# Altium PCB Main_Board.PcbDoc (part 1 of 19) (continued)
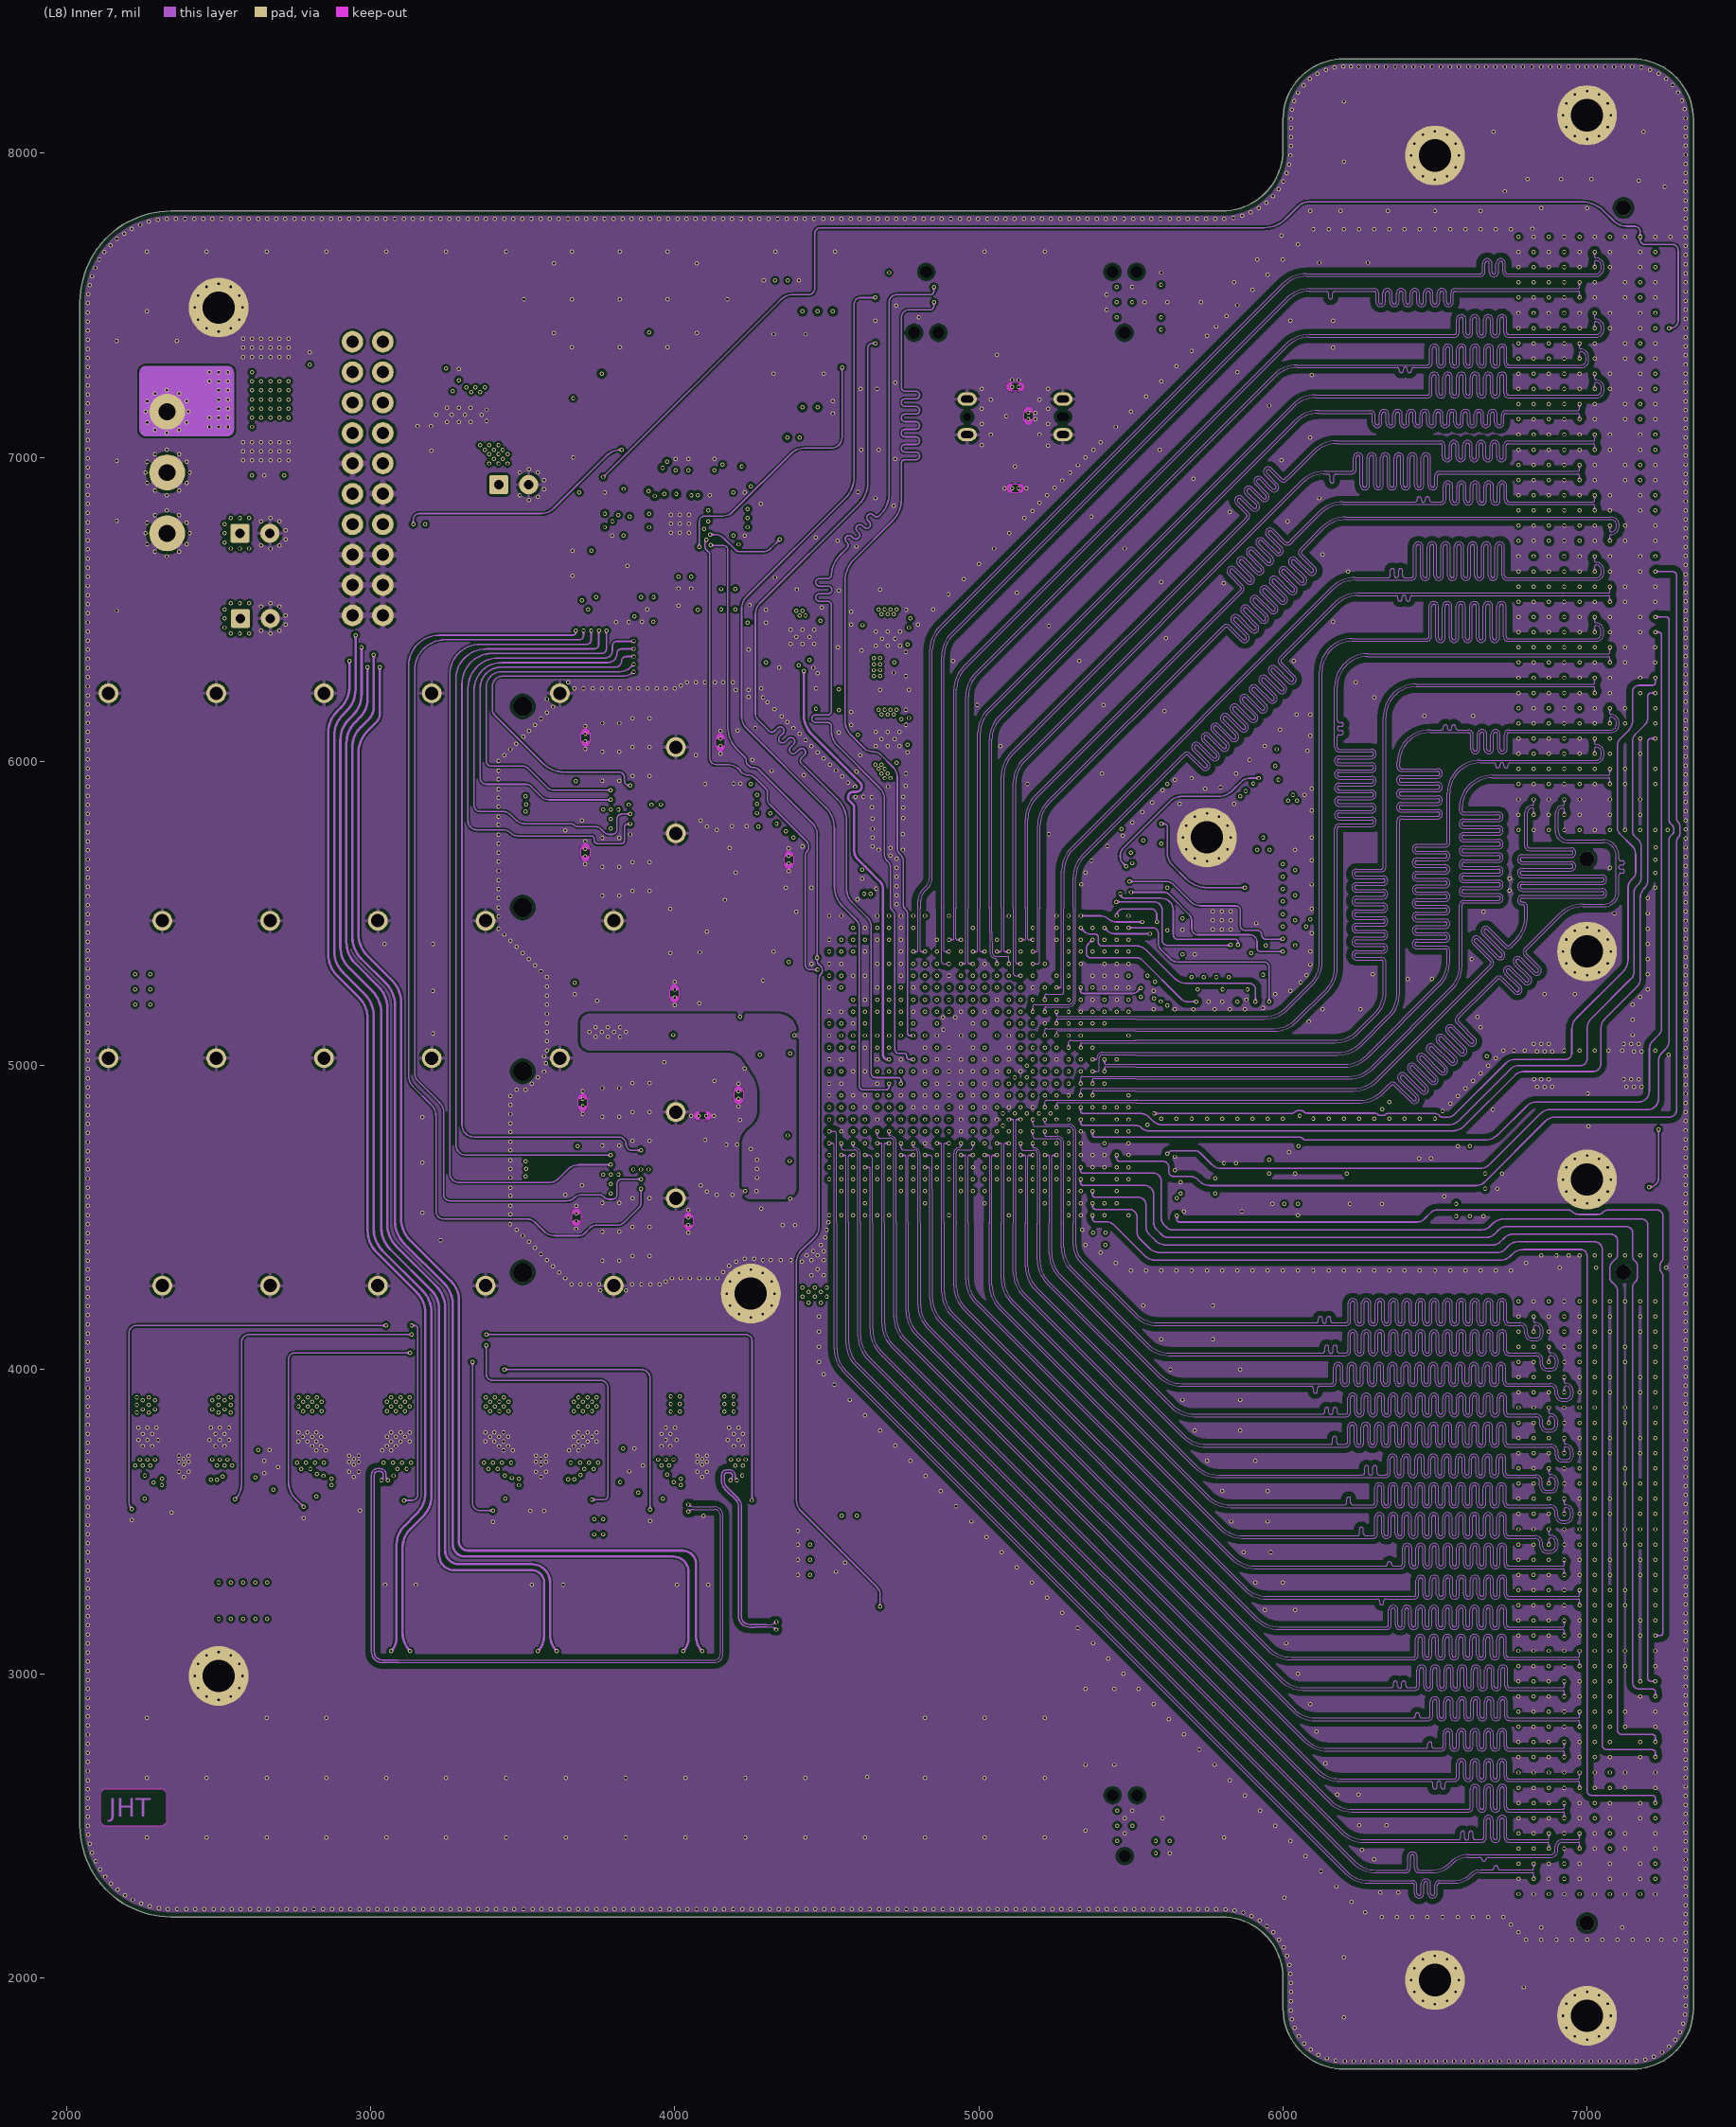
[diagram p8: (L8) Inner 7]
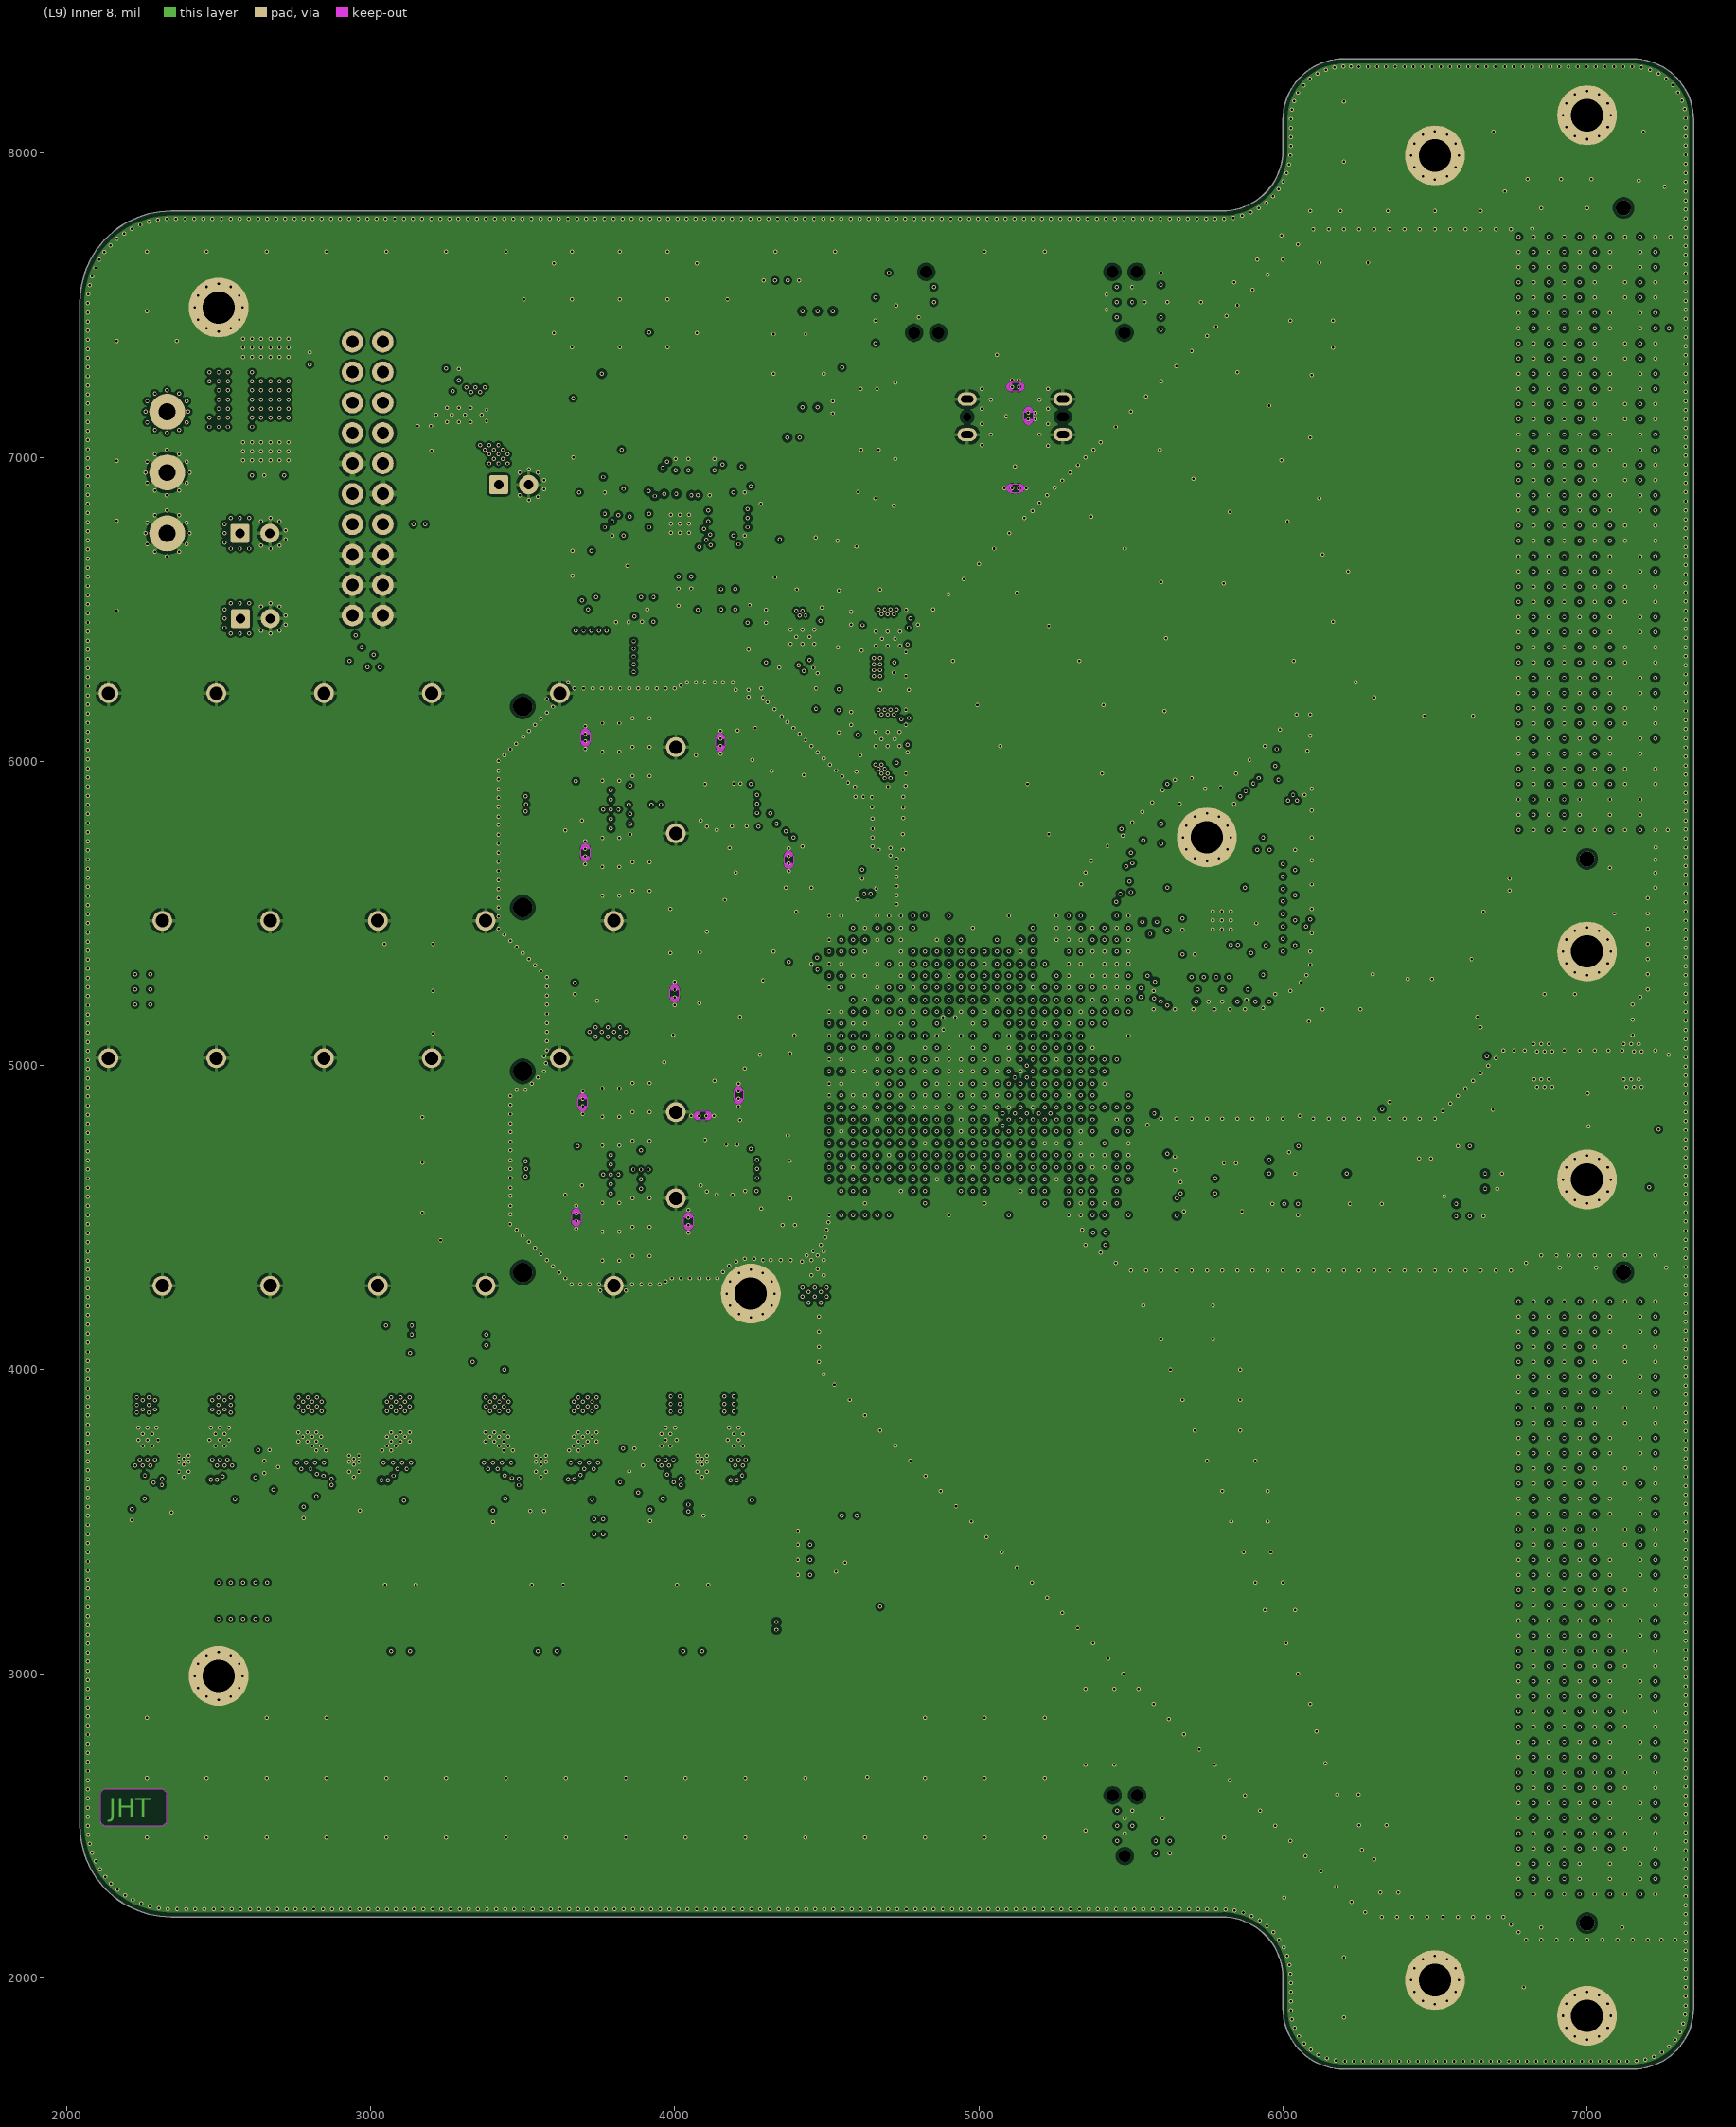
[diagram p9: (L9) Inner 8]
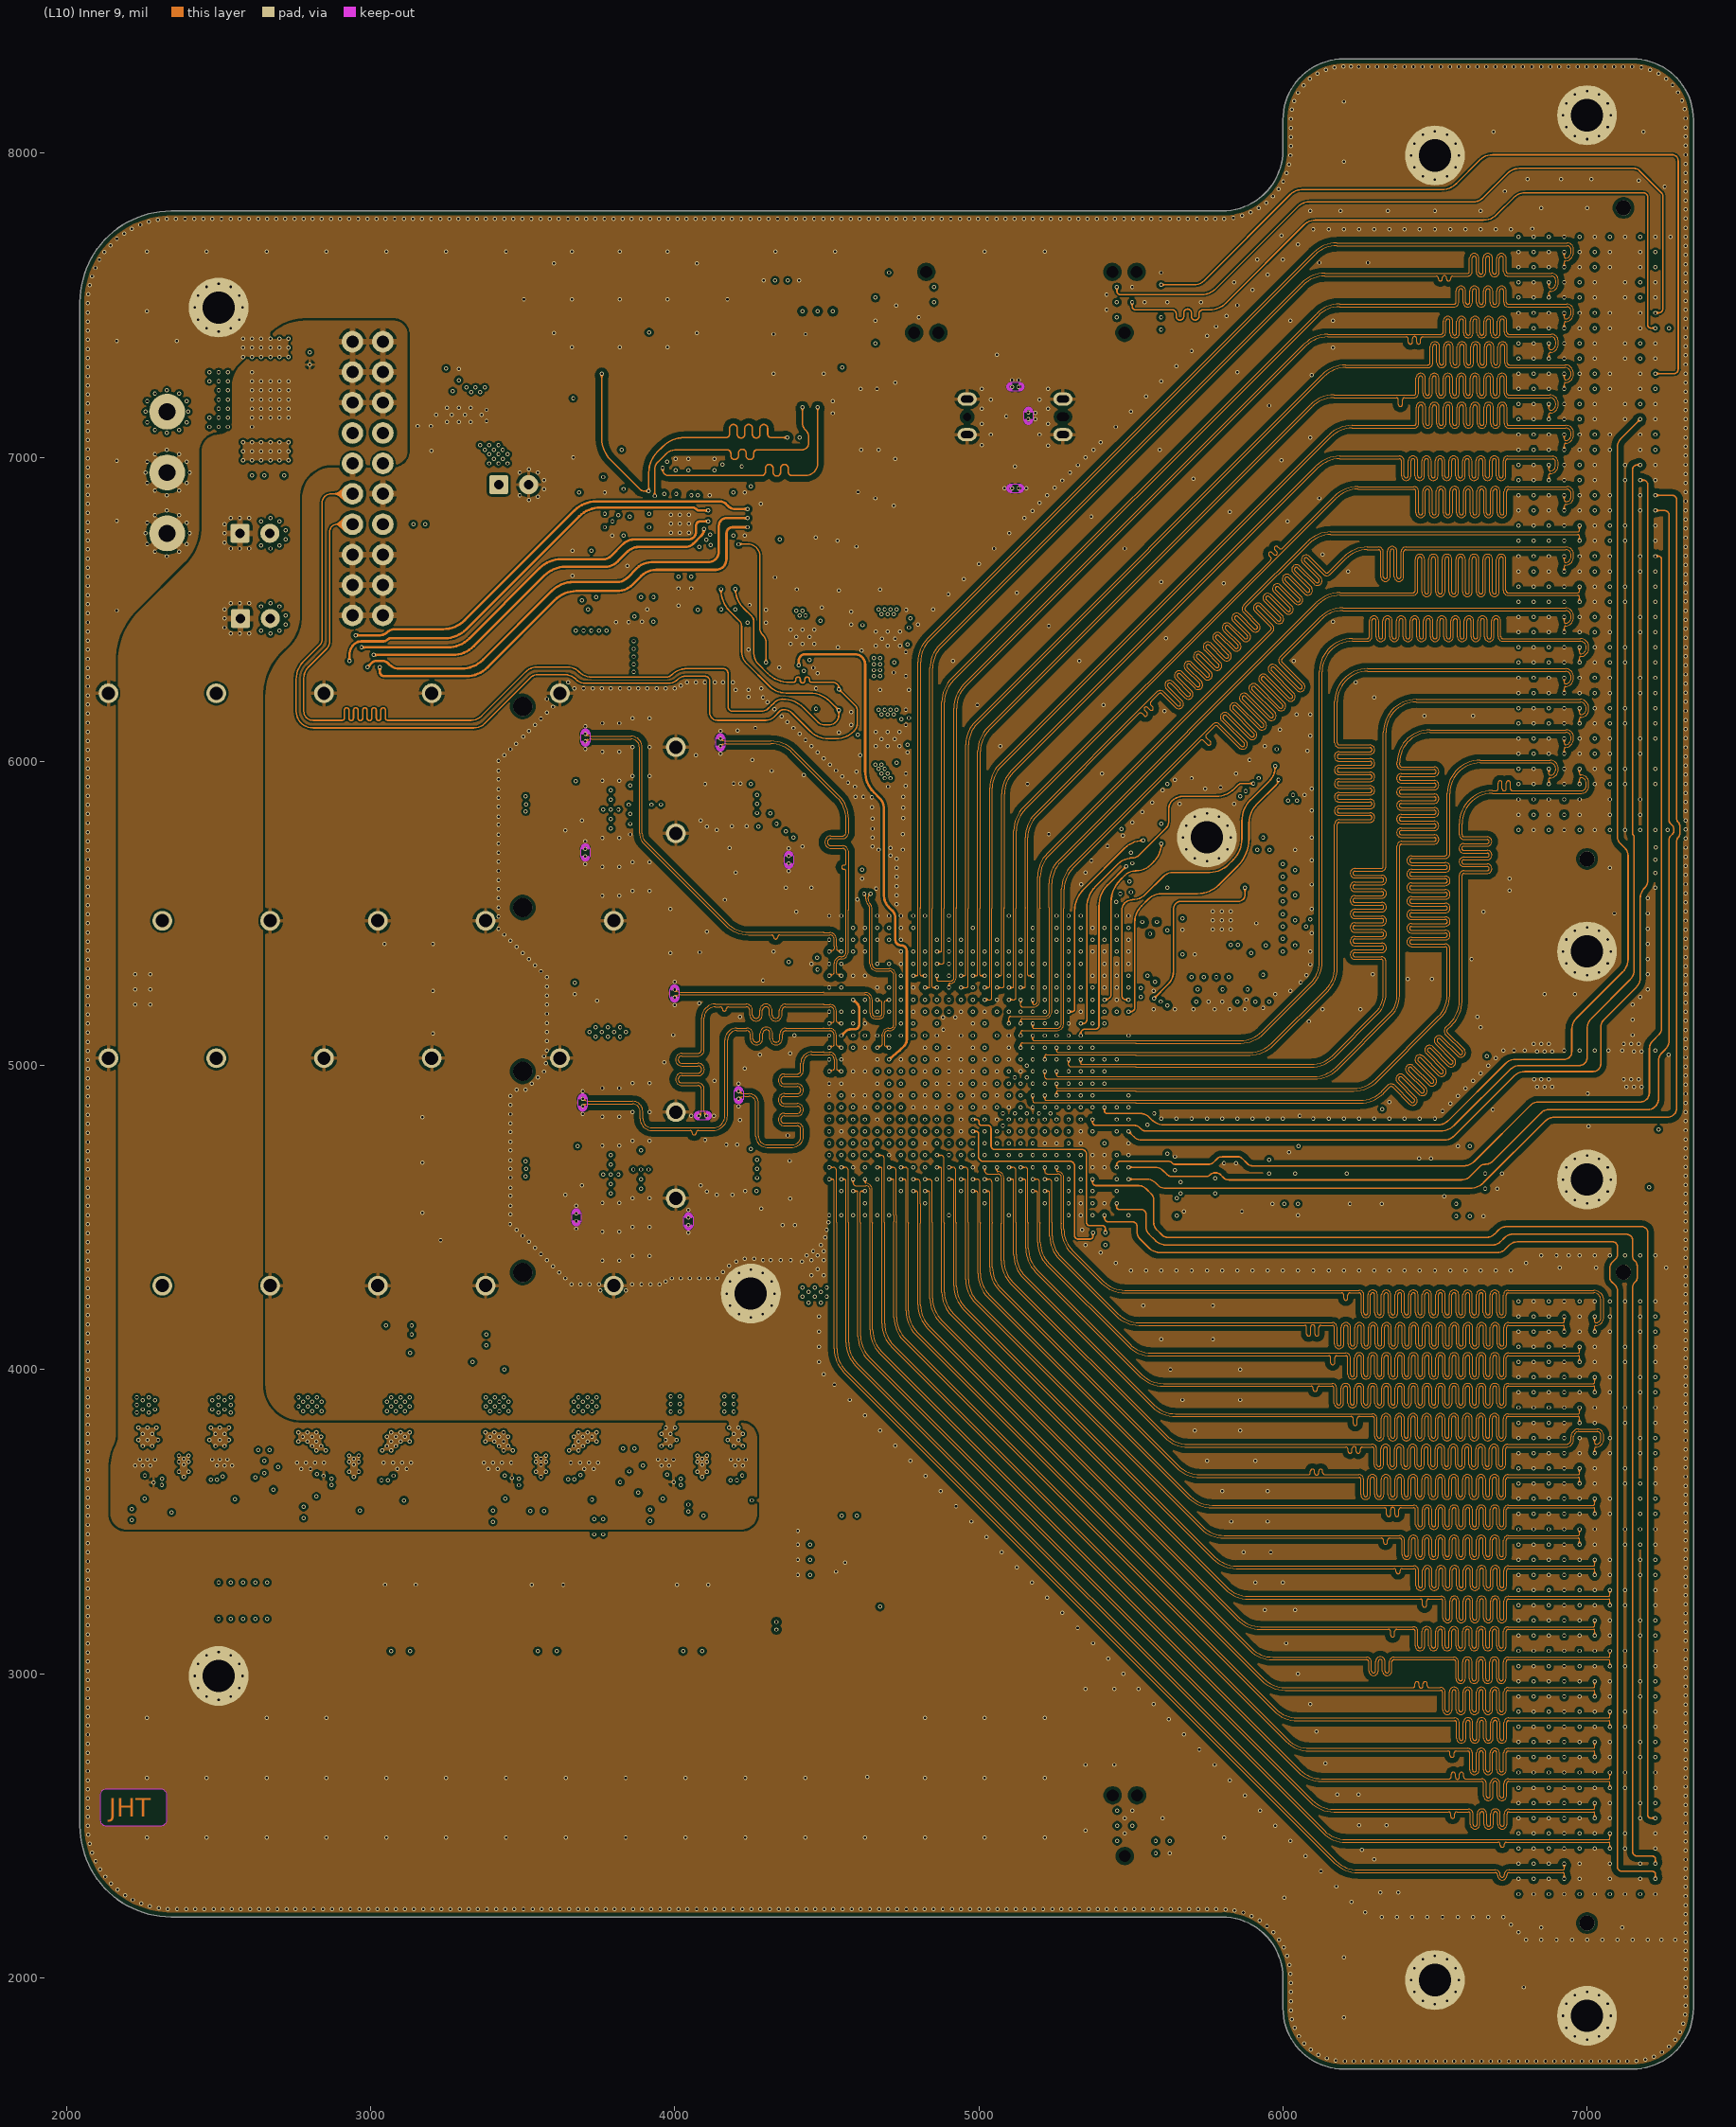
[diagram p10: (L10) Inner 9]